# Altium PCB OECU_BASE.PcbDoc (part 1 of 6)
Units mil, origin at the board's own origin, x right, y up, seen from the top; angles counter-clockwise.
Board outline 3937.01 x 3937.01 mil, 6 copper layers (SIG1, GND1, SIG2, POWER, GND2, SIG3), stack 60.566 mil thick; 357 components, 364 nets, 1500 pads, 1127 vias.
Unrouted connection lines stored in the file: 1.
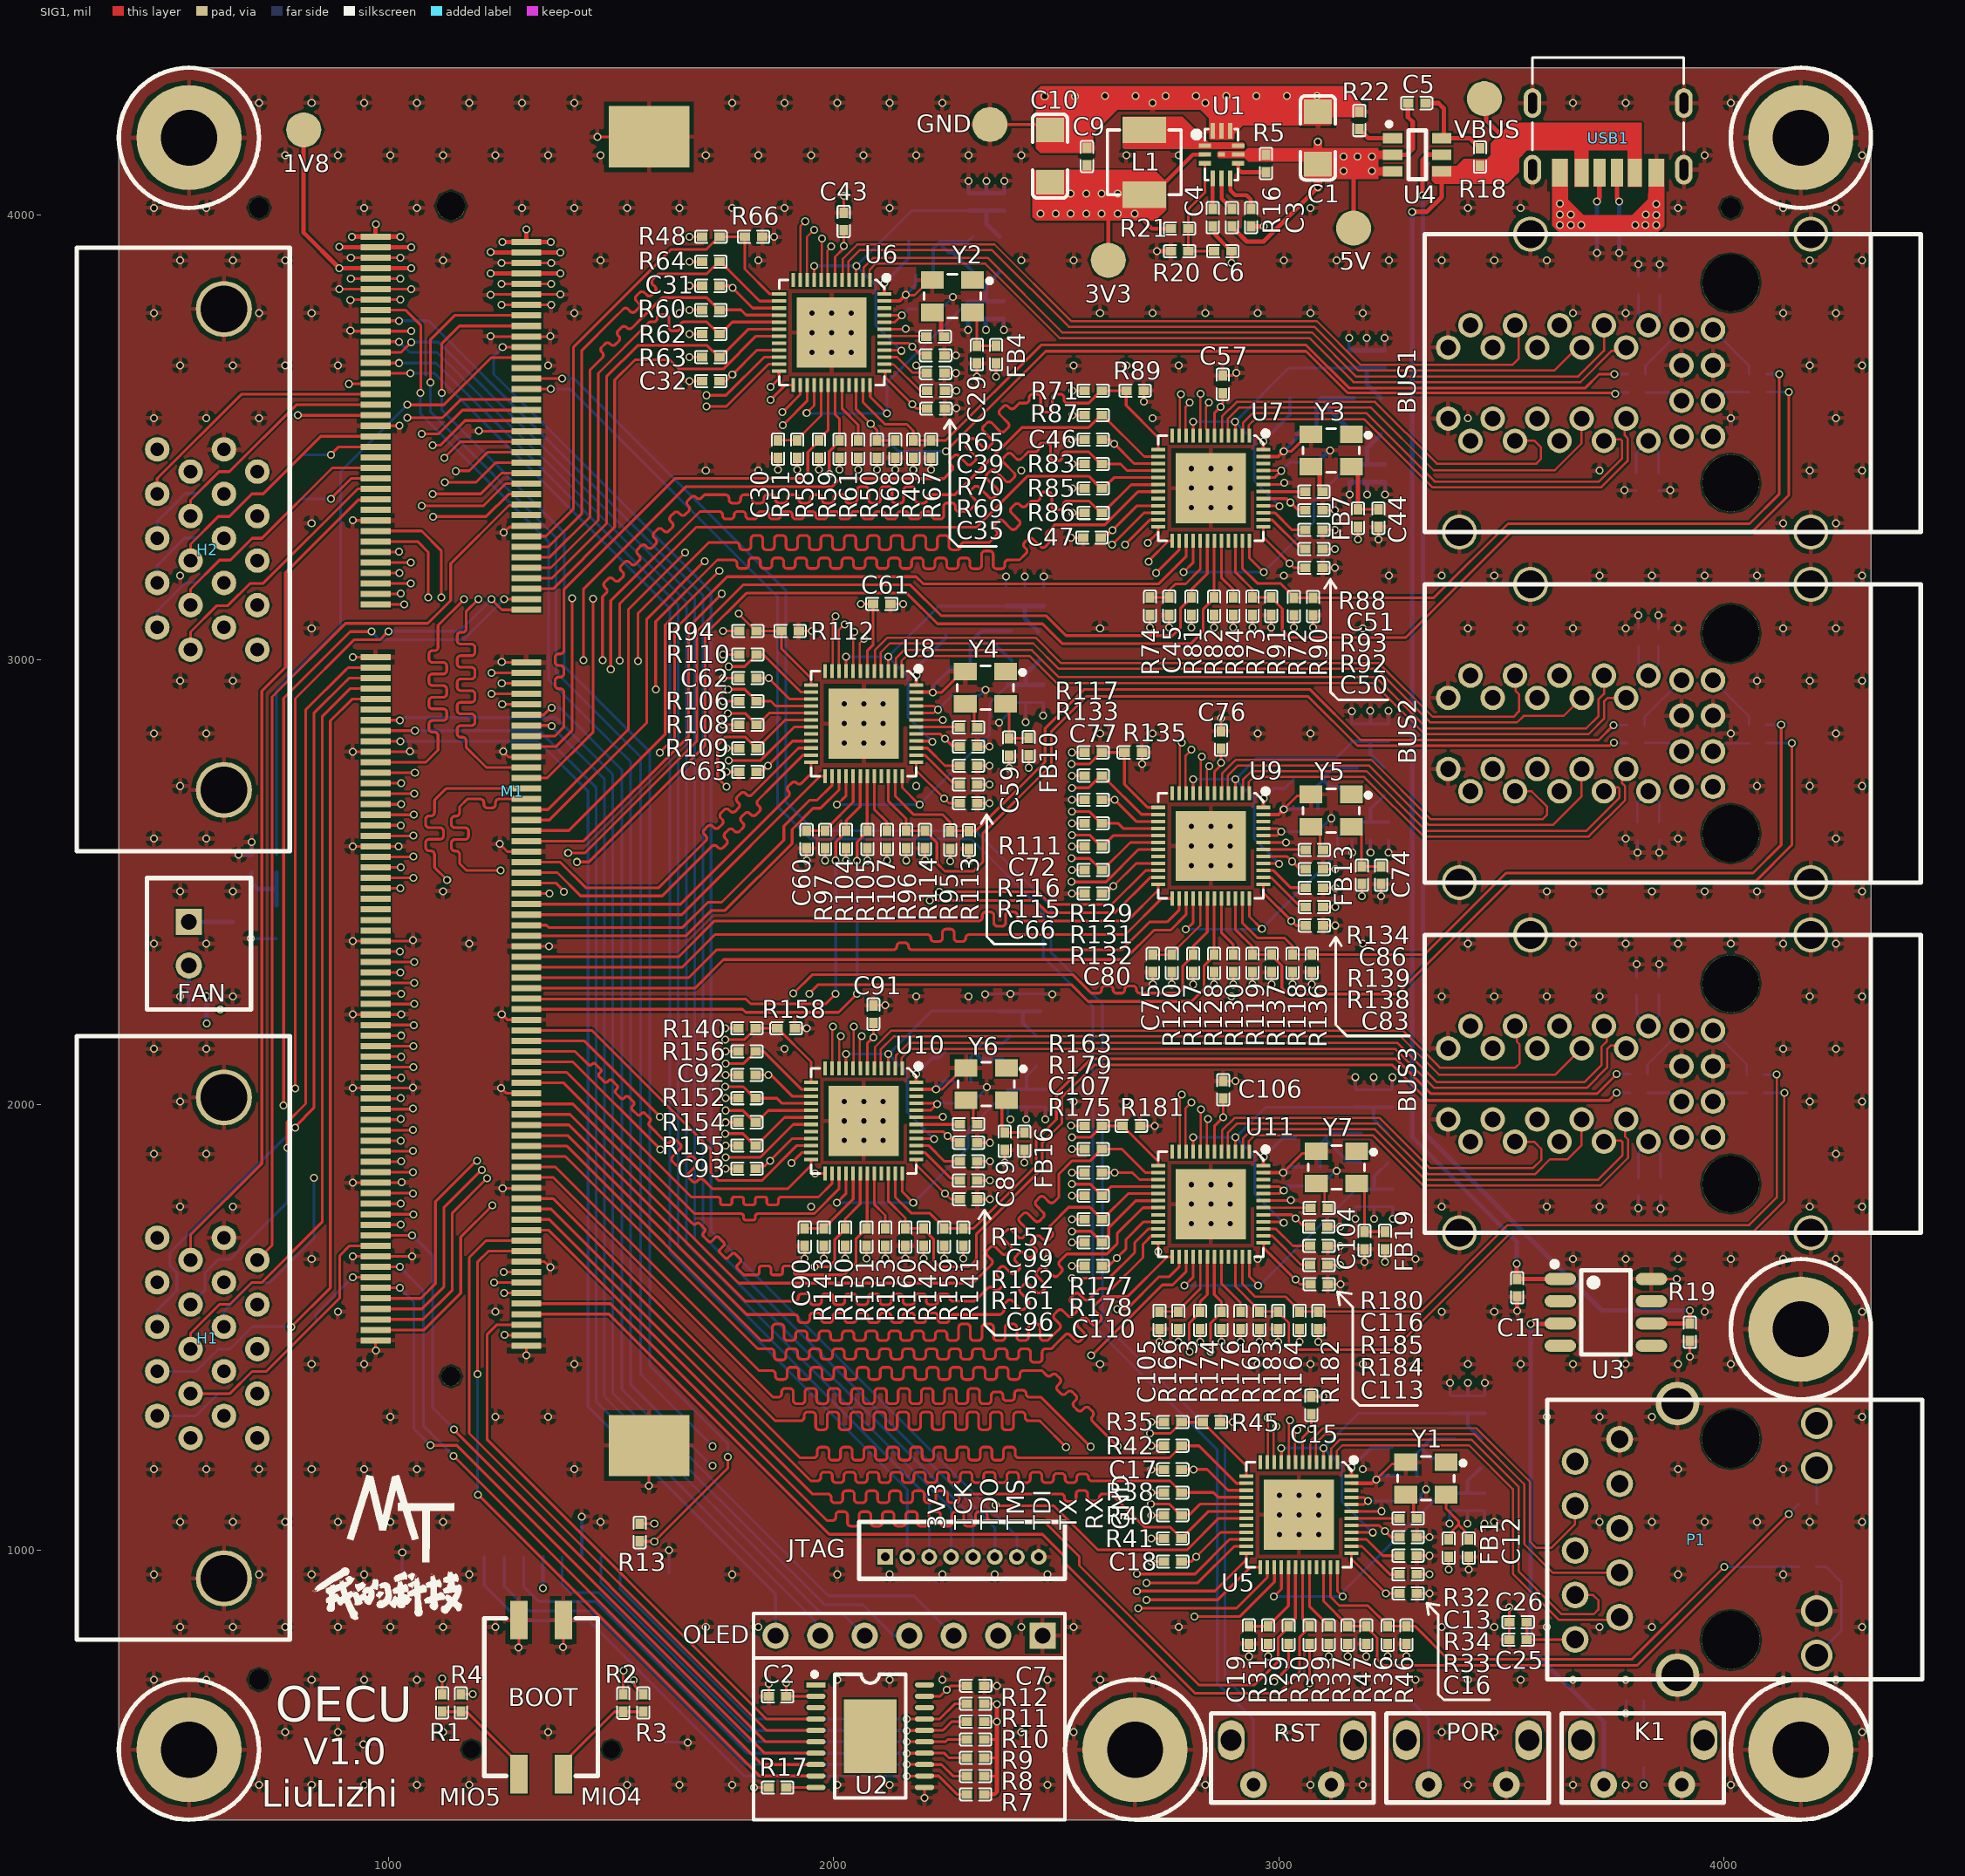
[diagram p0: SIG1 view]
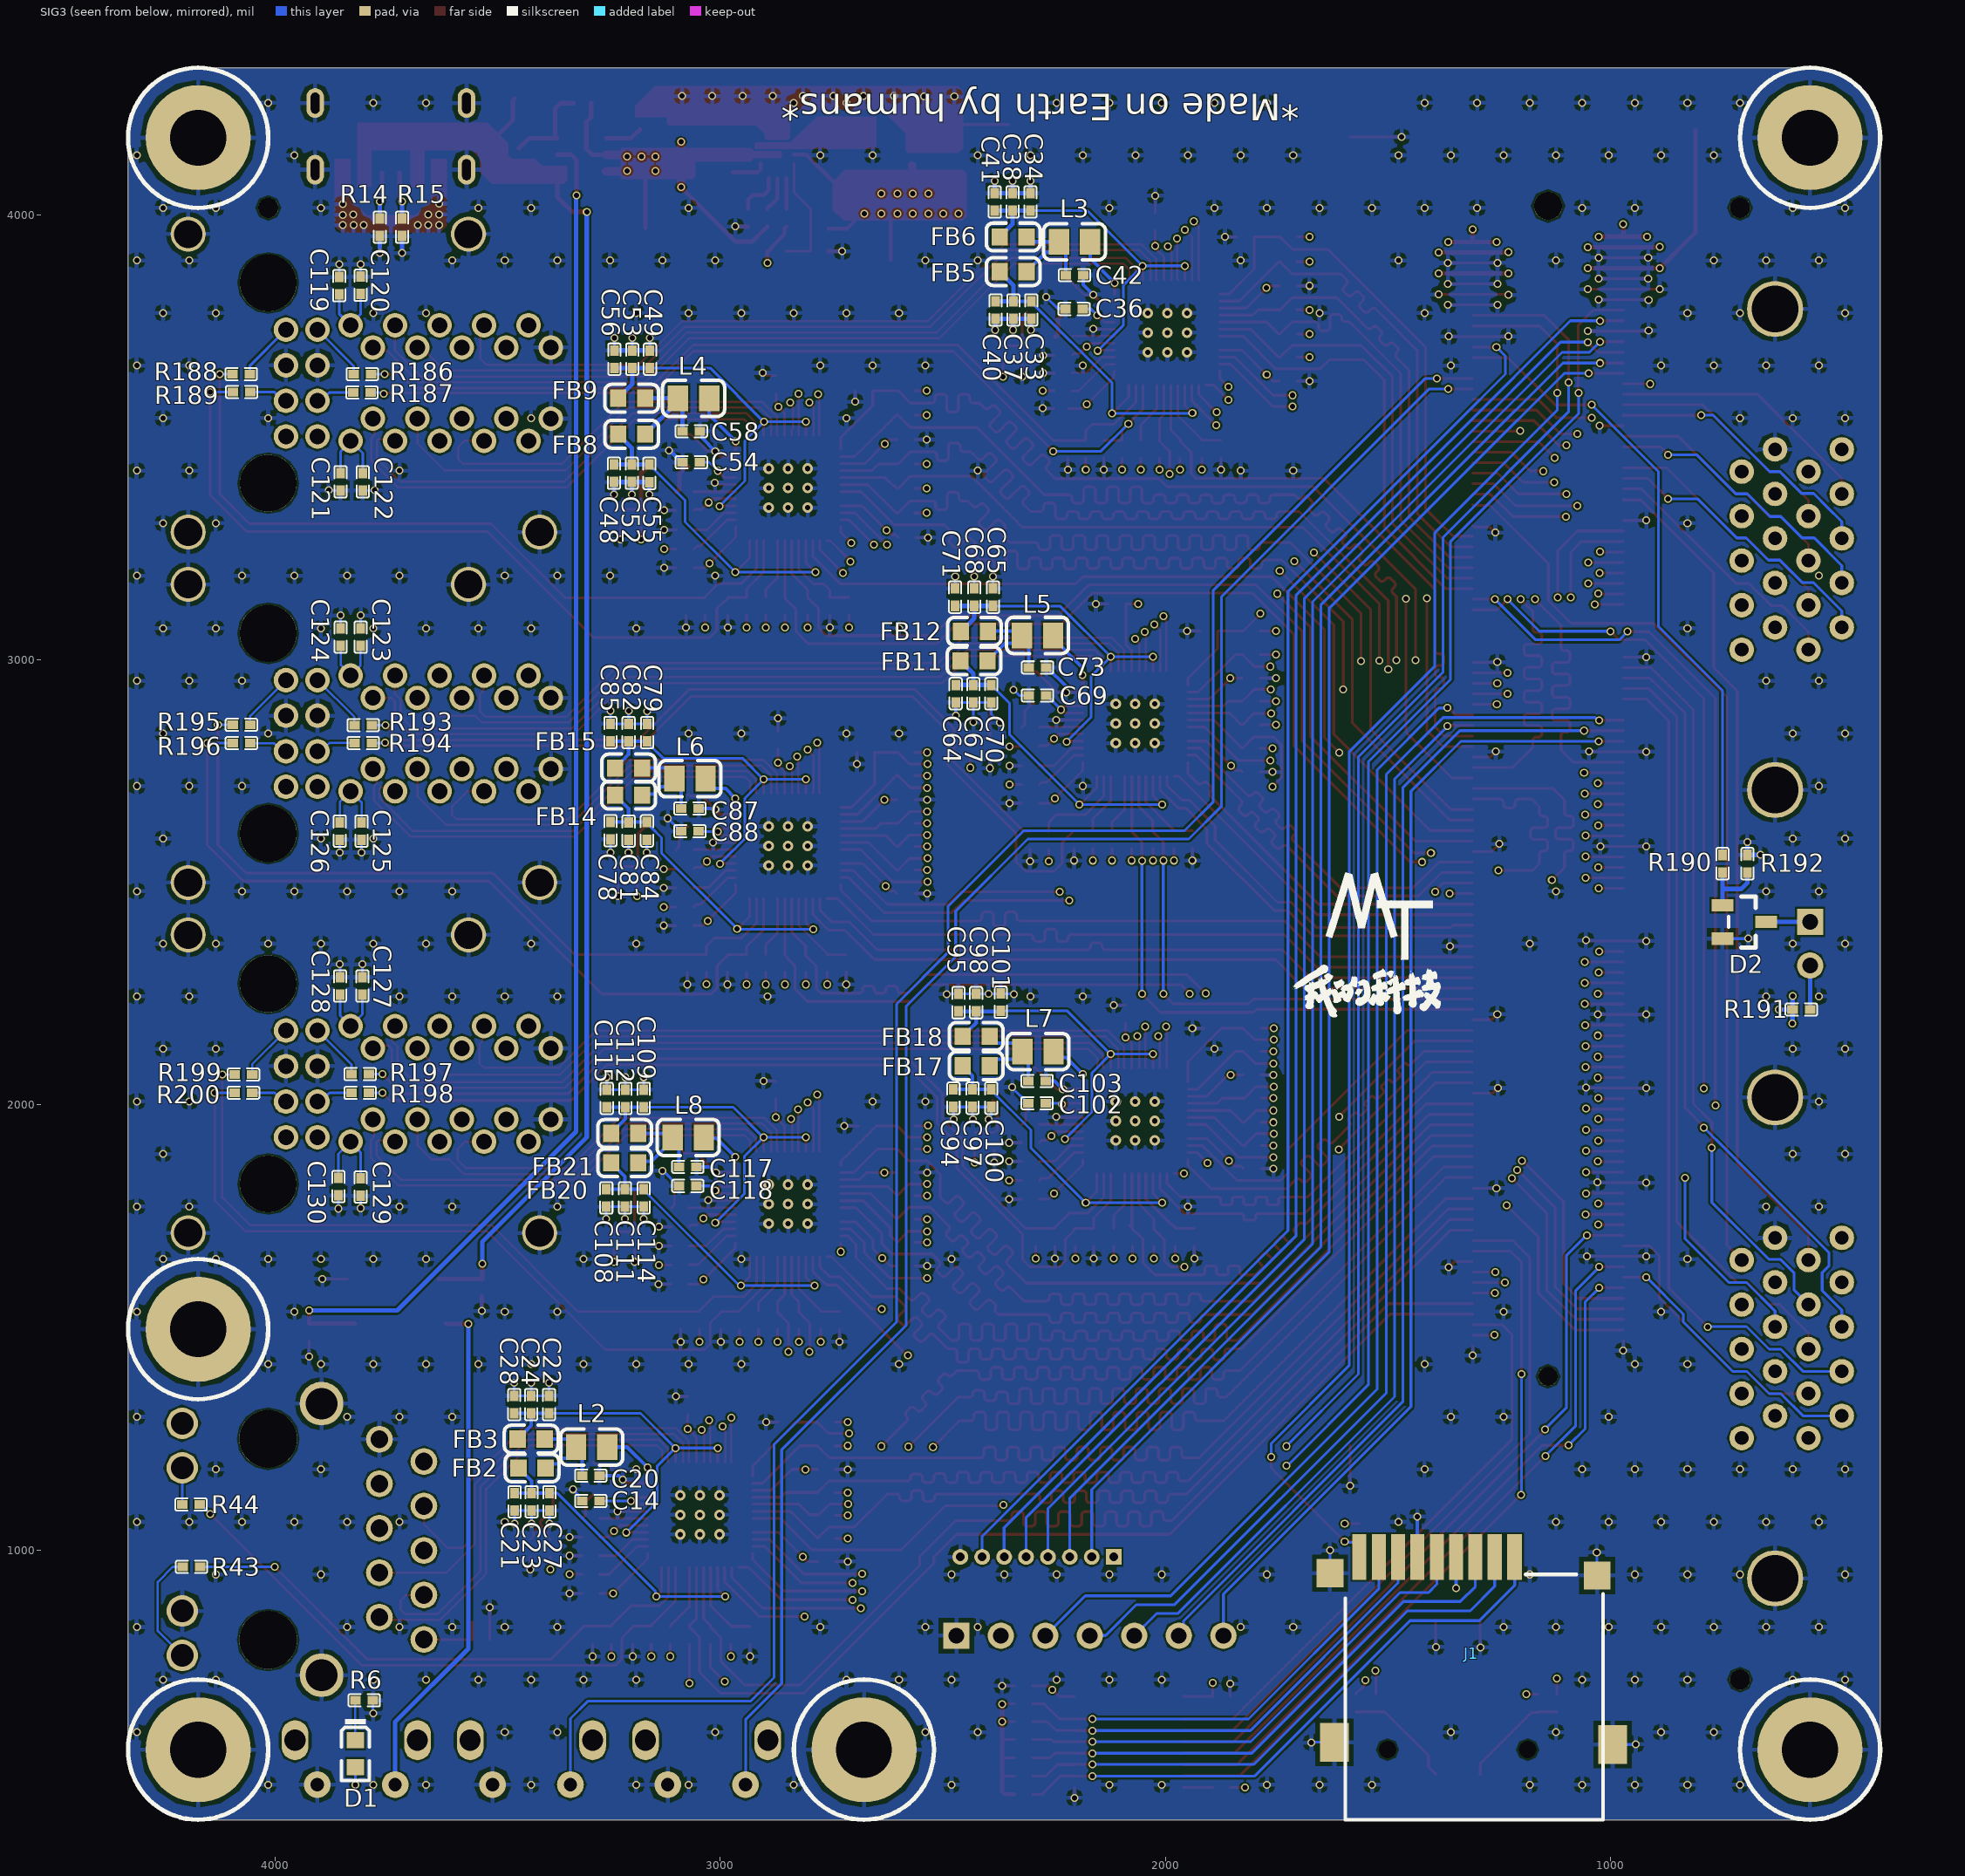
[diagram p1: SIG3 view, seen from below]
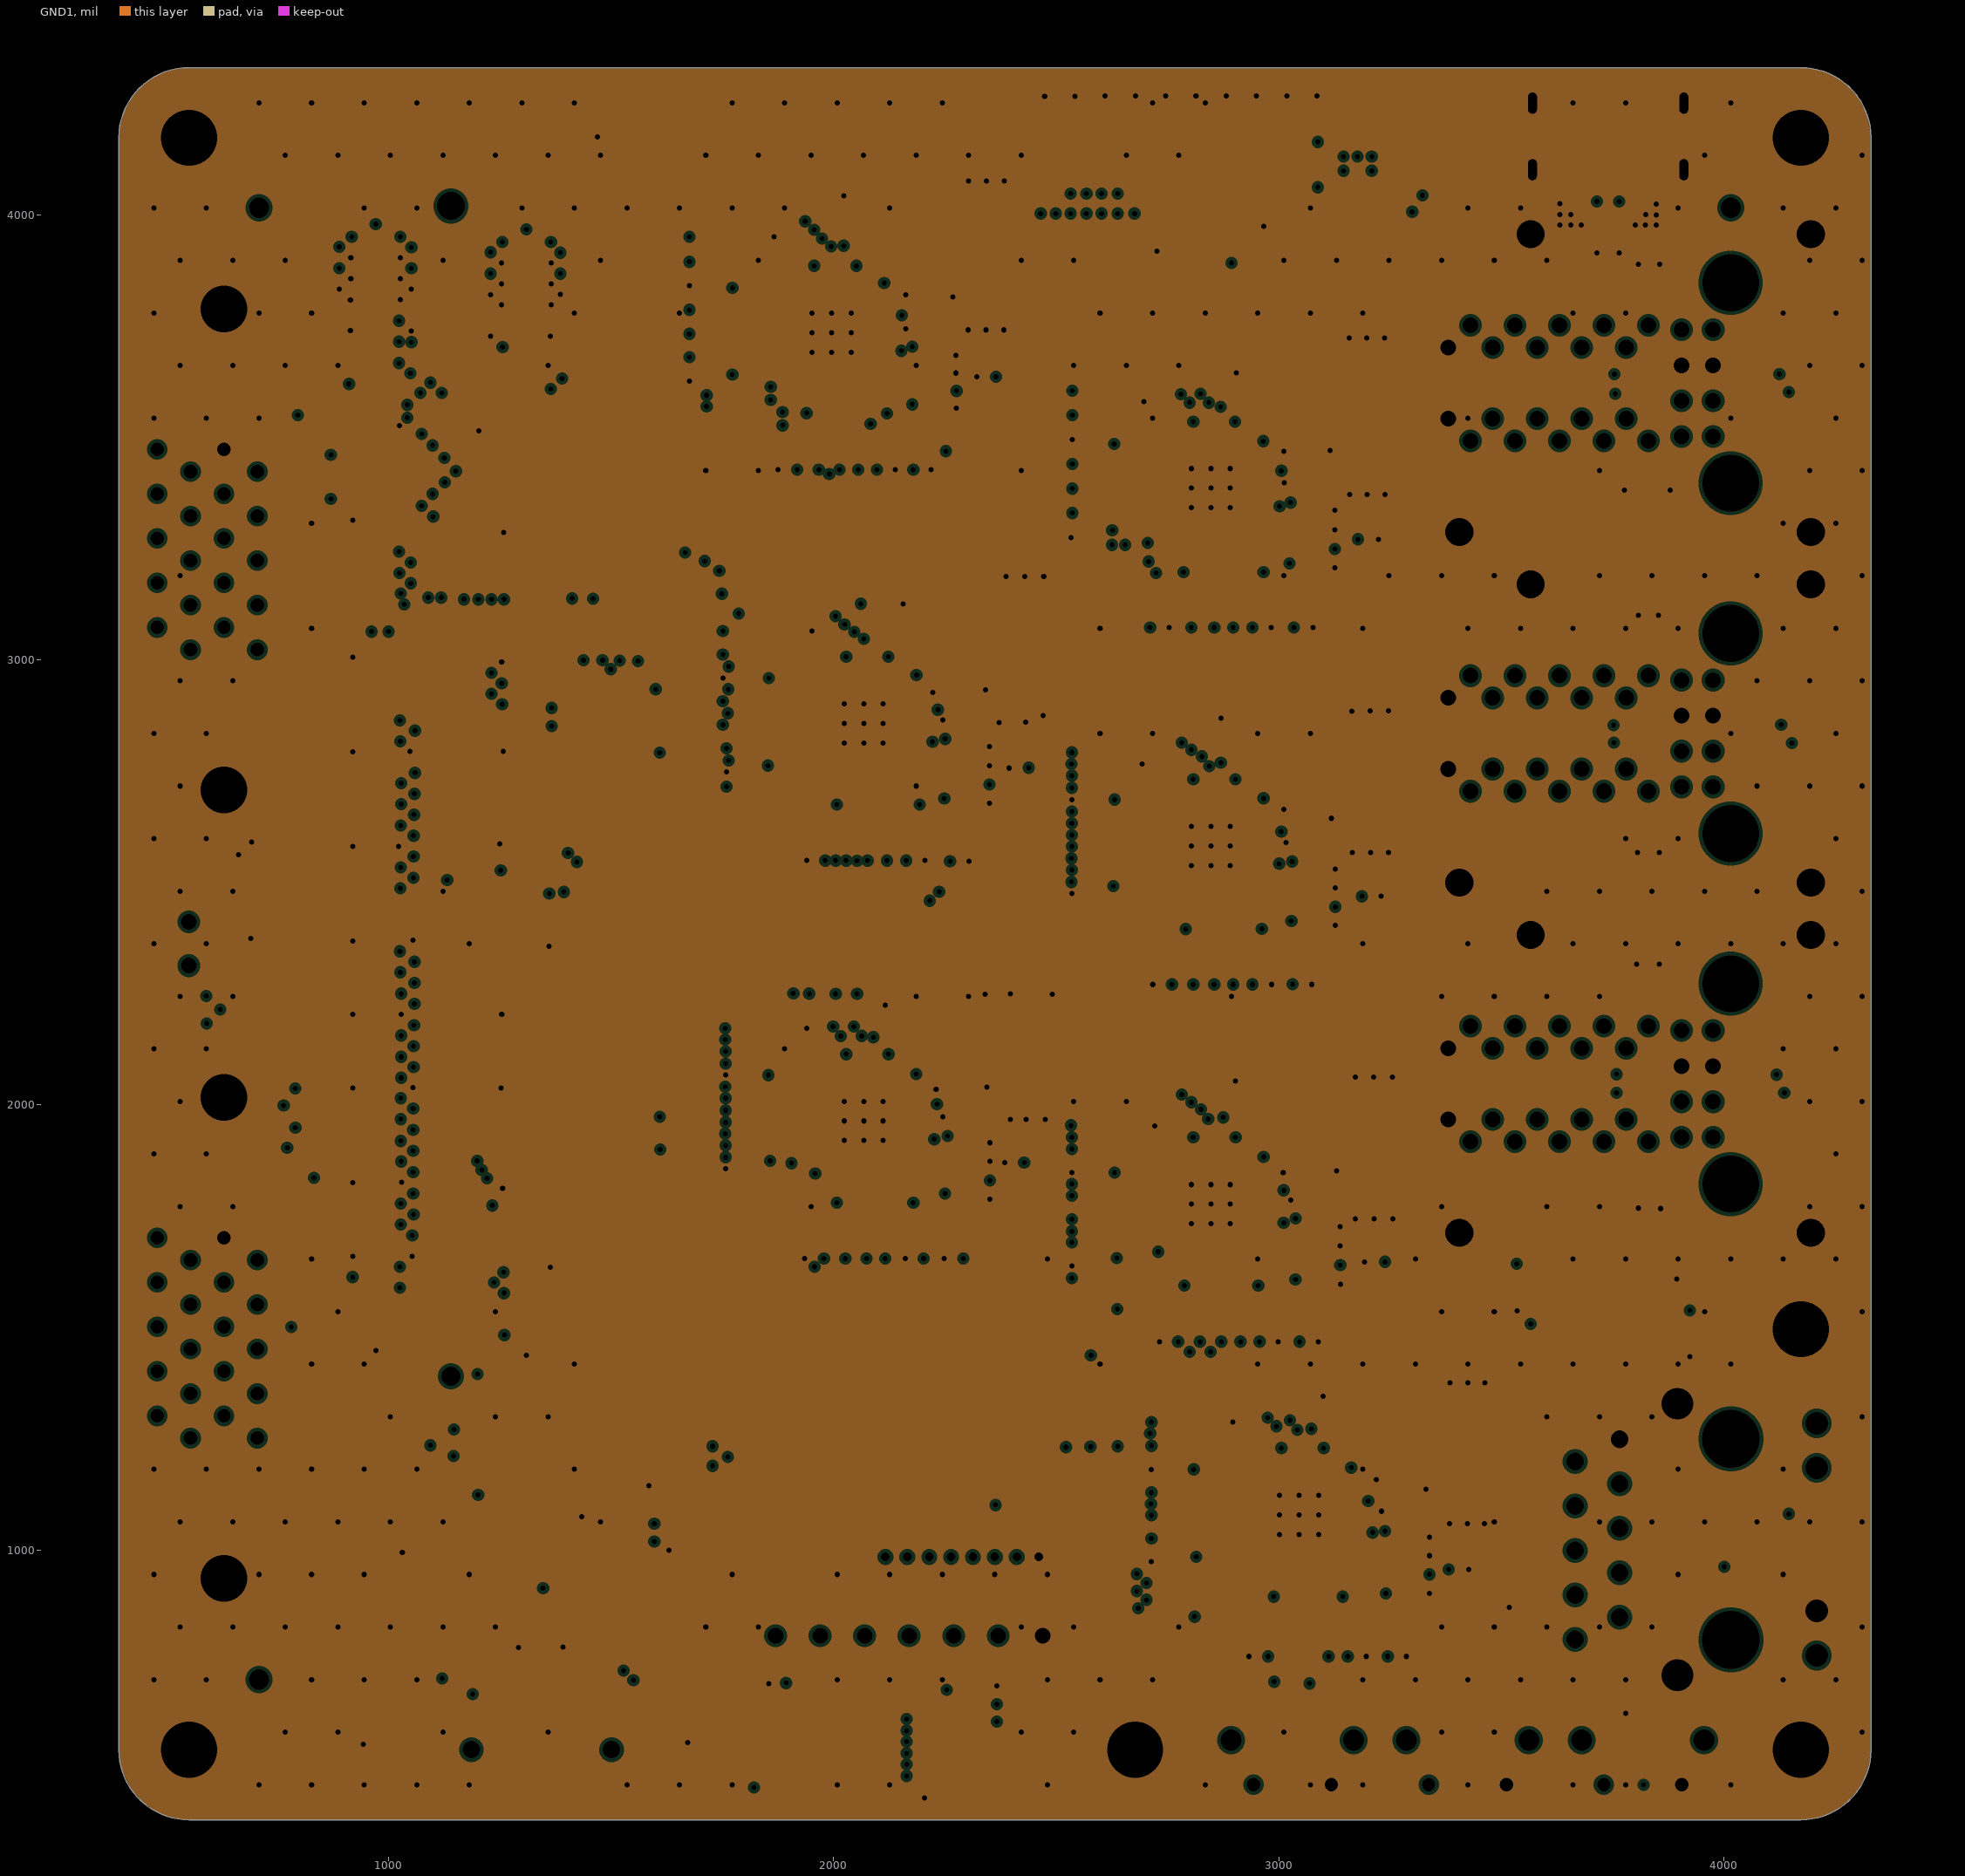
[diagram p2: GND1, clearances drawn from the general rule]
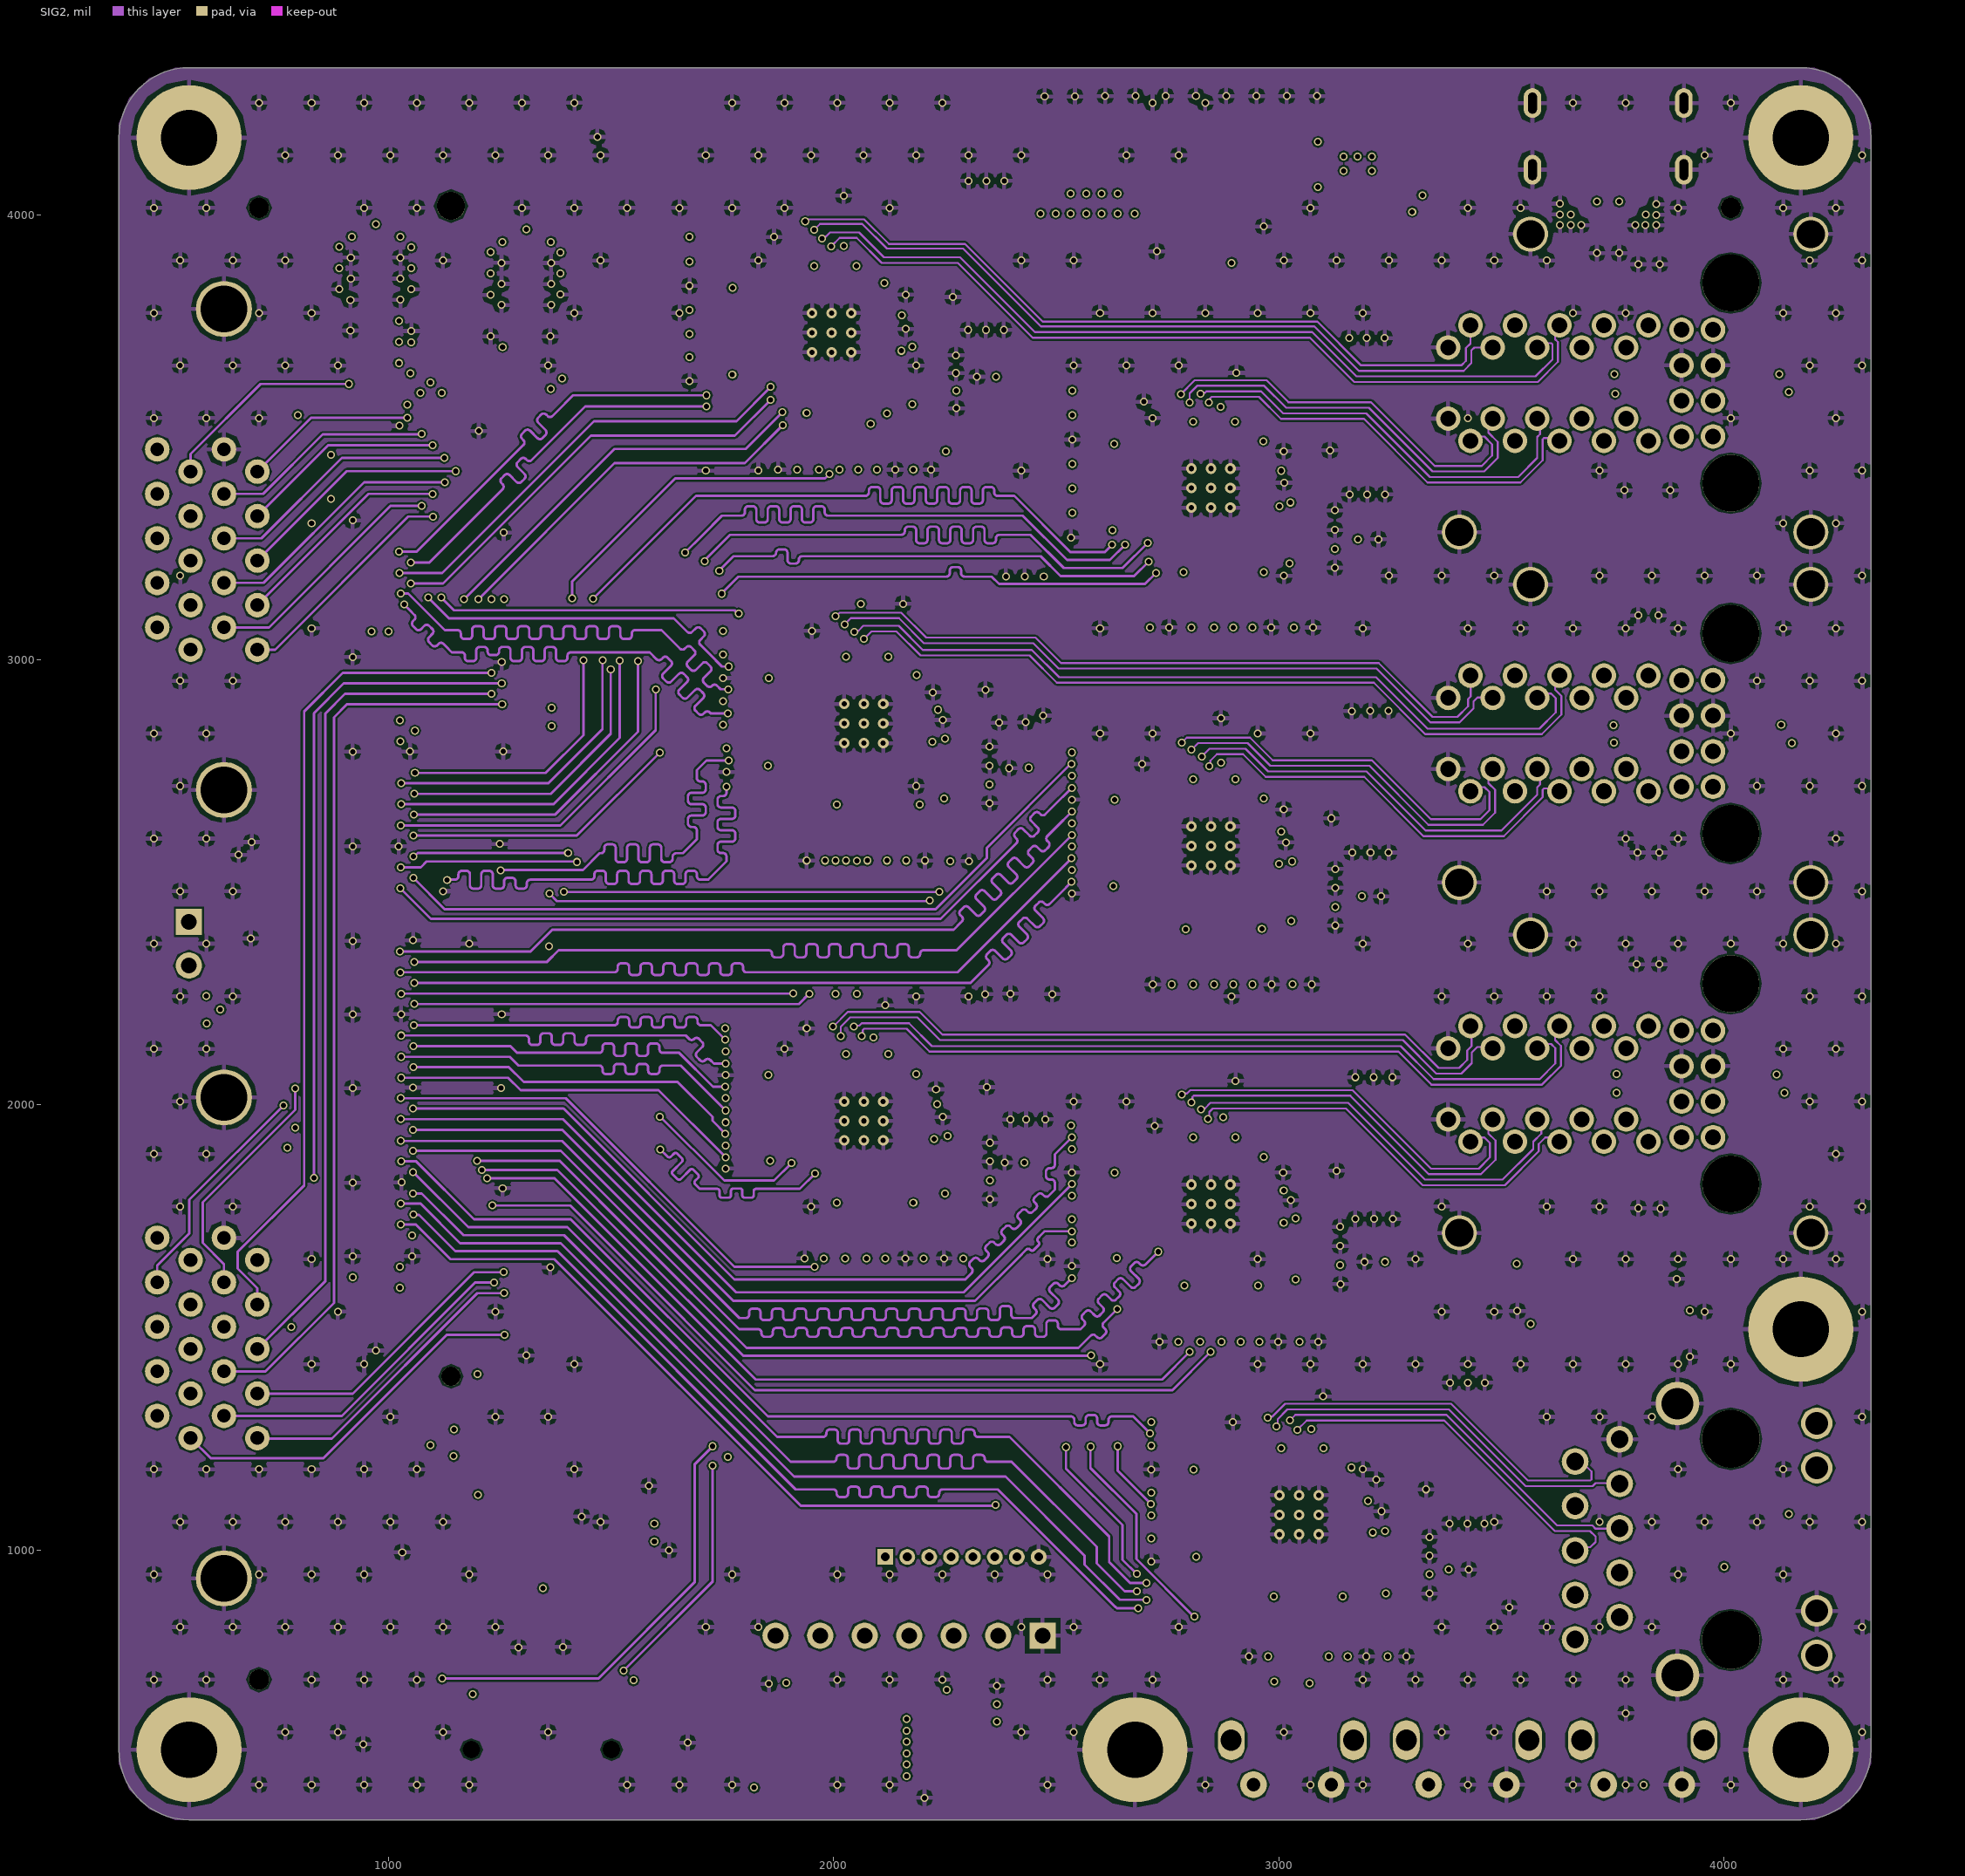
[diagram p3: SIG2]